# KiCad board panel.kicad_pcb
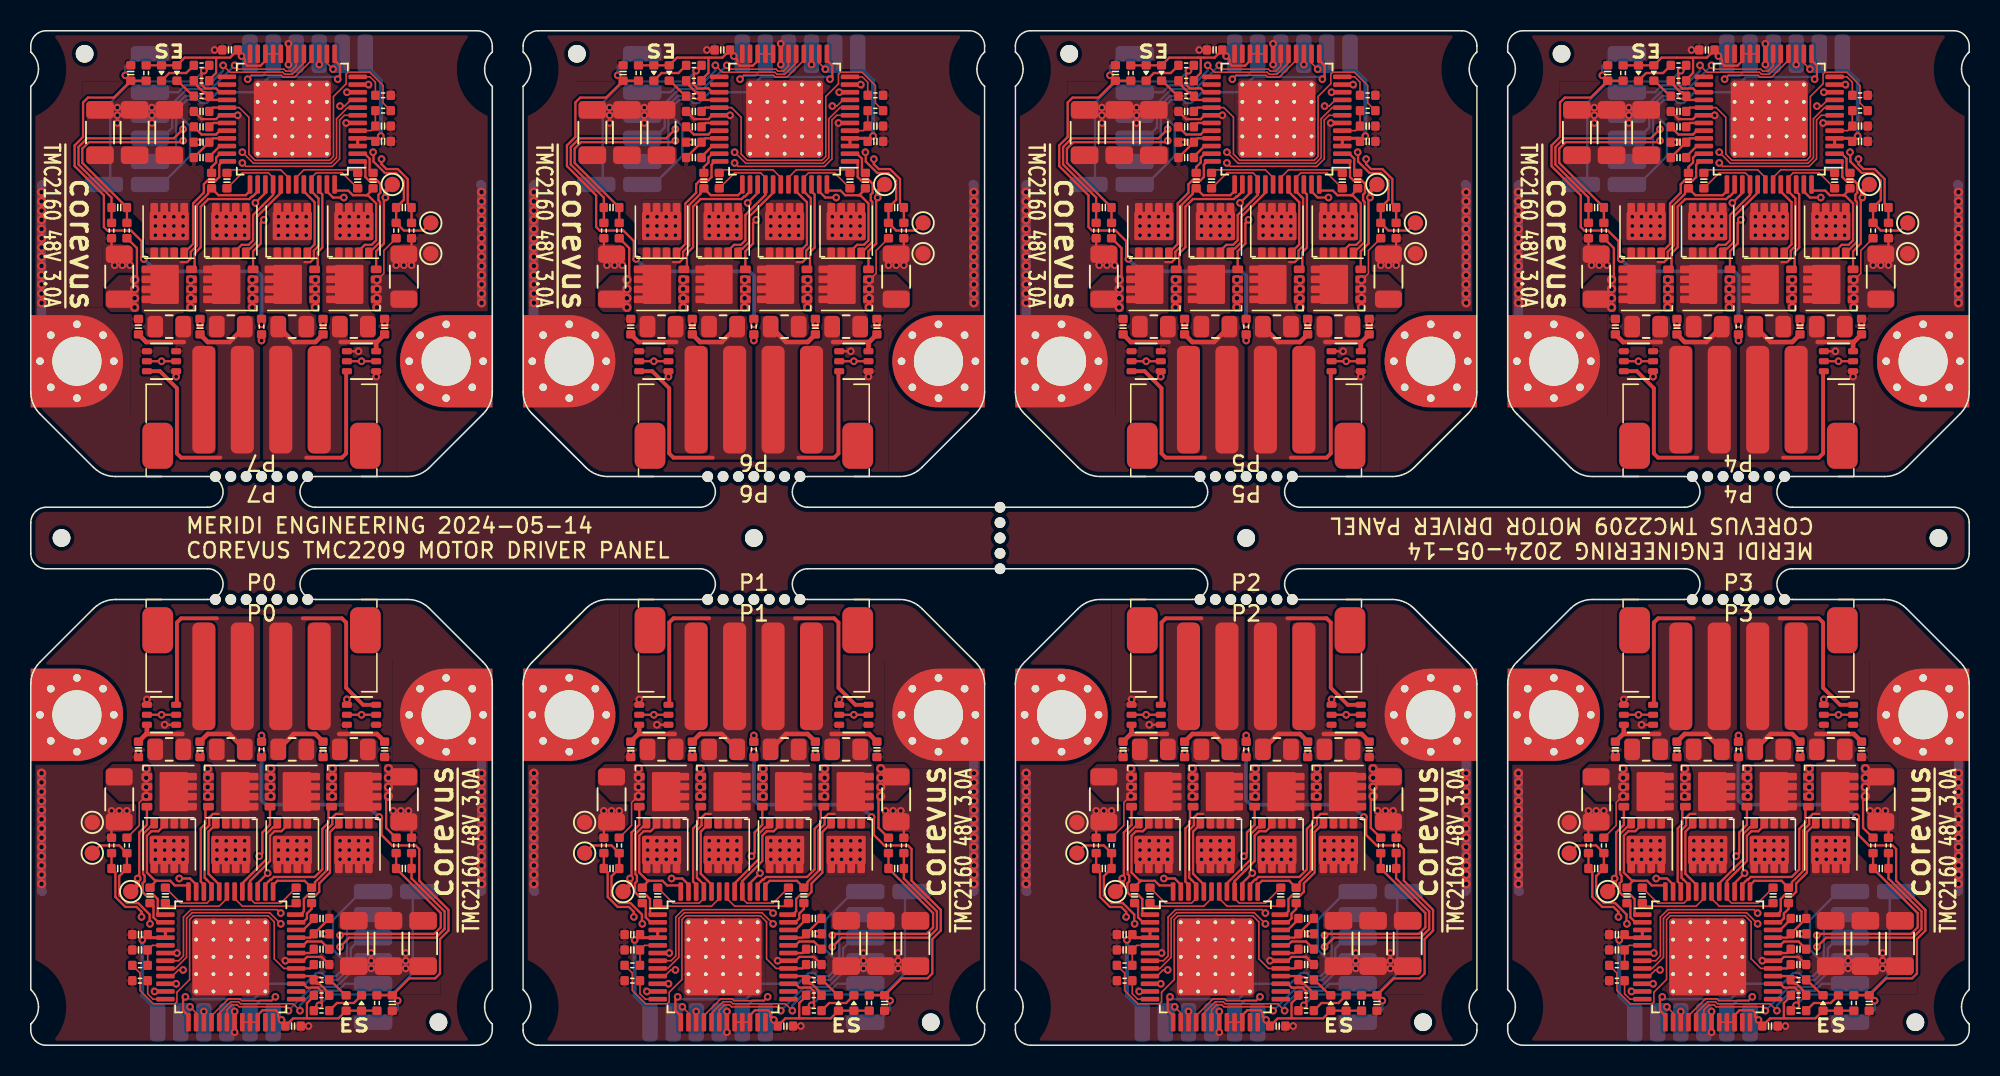
[diagram p0: board, top side]
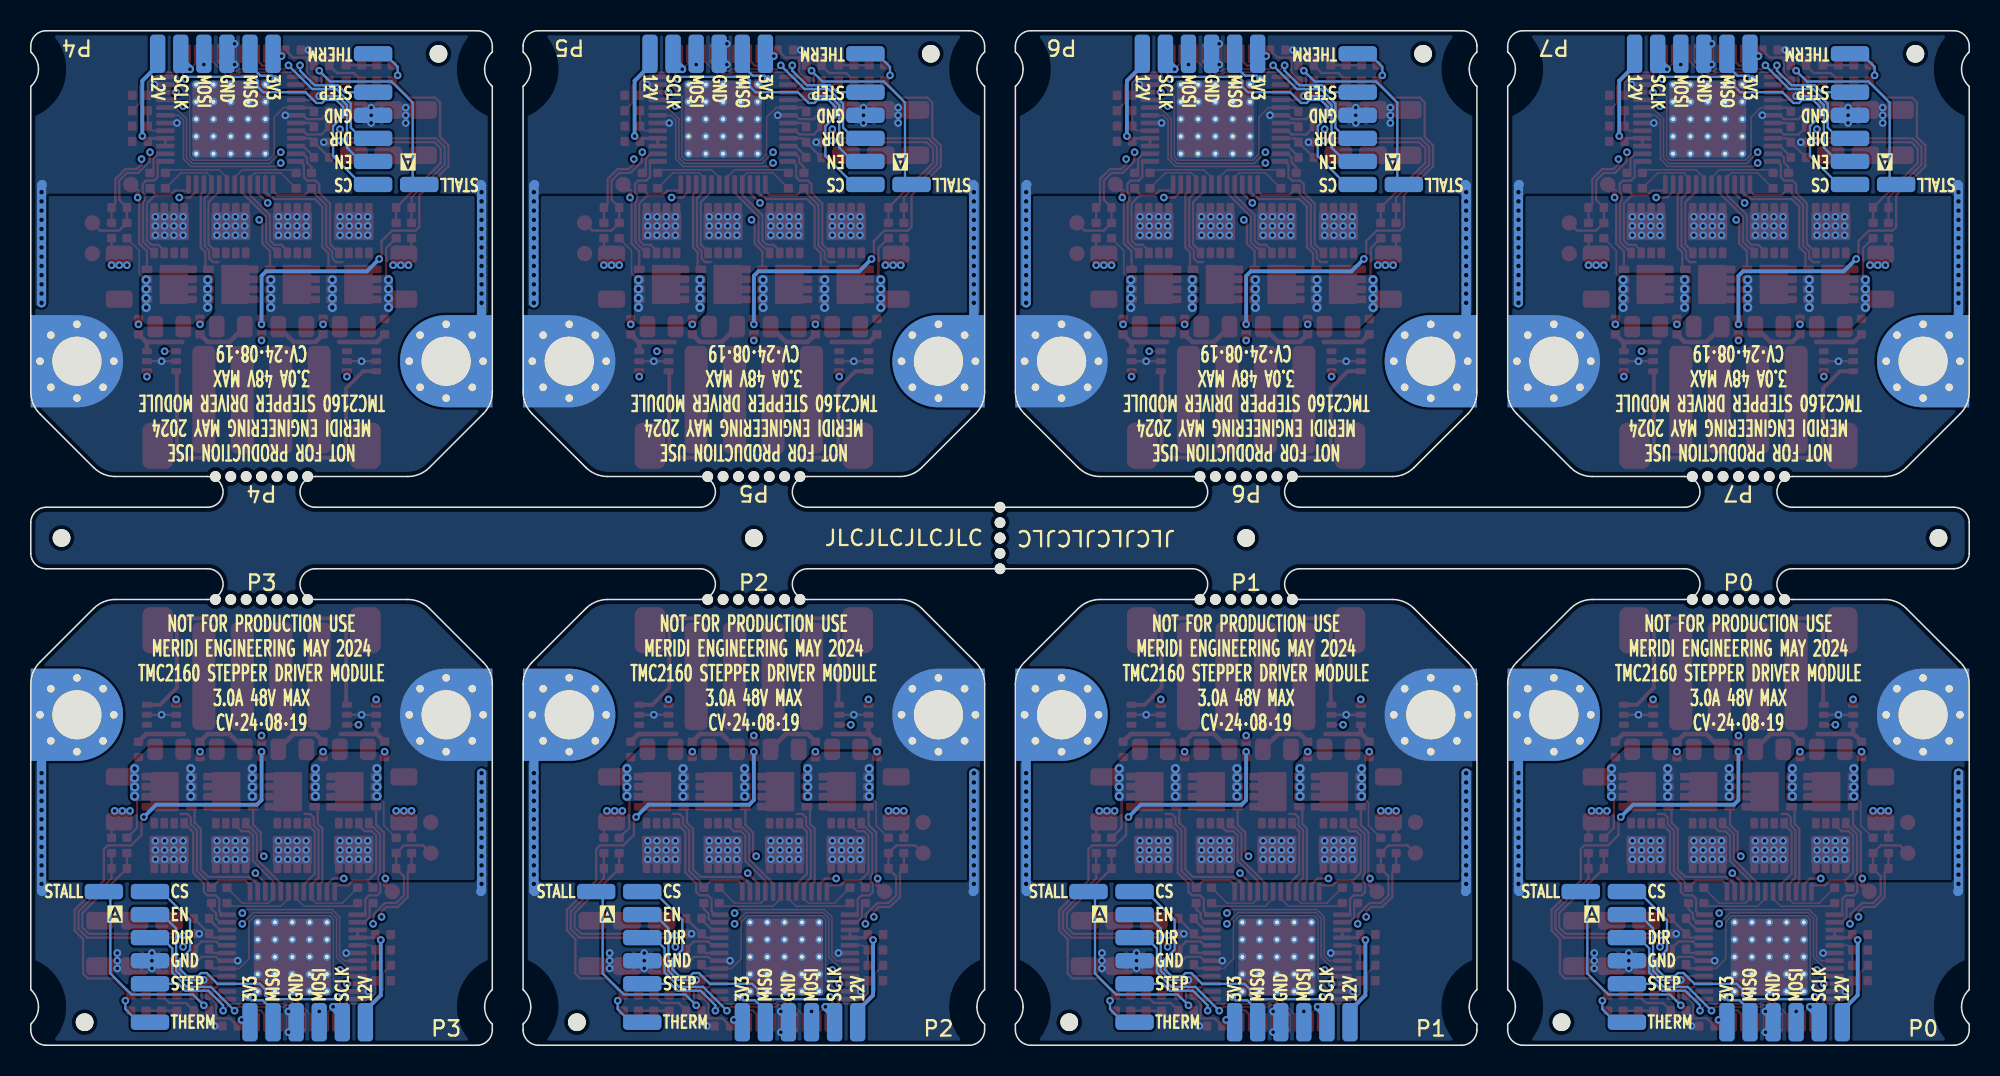
[diagram p1: board, bottom side, seen from below]

Outline 126 x 66 mm; copper layers: Top, In1.Cu, In2.Cu, Bottom. Coordinates in mm from the lower left corner of the outline.
Outline path: 0,65 arc(0.29,65.71) 1,66 29,66 arc(29.71,65.71) 30,65 30,64.62 29.94,64.56 arc(29.61,64.07) 29.5,63.5 arc(29.61,62.93) 29.94,62.44 30,62.38 30,42.5 arc(29.85,41.73) 29.41,41.09 25.91,37.59 arc(25.27,37.15) 24.5,37 18.5,37 arc(17.5,36) 18.5,35 43.5,35 arc(44.5,36) 43.5,37 37.5,37 arc(36.73,37.15) 36.09,37.59 32.59,41.09 arc(32.15,41.73) 32,42.5 32,62.38 32.06,62.44 arc(32.39,62.93) 32.5,63.5 arc(32.39,64.07) 32.06,64.56 32,64.62 32,65 arc(32.29,65.71) 33,66 61,66 arc(61.71,65.71) 62,65 62,64.62 61.94,64.56 arc(61.61,64.07) 61.5,63.5 arc(61.61,62.93) 61.94,62.44 62,62.38 62,42.5 arc(61.85,41.73) 61.41,41.09 57.91,37.59 arc(57.27,37.15) 56.5,37 50.5,37 arc(49.5,36) 50.5,35 75.5,35 arc(76.5,36) 75.5,37 69.5,37 arc(68.73,37.15) 68.09,37.59 64.59,41.09 arc(64.15,41.73) 64,42.5 64,62.38 64.06,62.44 arc(64.39,62.93) 64.5,63.5 arc(64.39,64.07) 64.06,64.56 64,64.62 64,65 arc(64.29,65.71) 65,66 93,66 arc(93.71,65.71) 94,65 94,64.62 93.94,64.56 arc(93.61,64.07) 93.5,63.5 arc(93.61,62.93) 93.94,62.44 94,62.38 94,42.5 arc(93.85,41.73) 93.41,41.09 89.91,37.59 arc(89.27,37.15) 88.5,37 82.5,37 arc(81.5,36) 82.5,35 107.5,35 arc(108.5,36) 107.5,37 101.5,37 arc(100.73,37.15) 100.09,37.59 96.59,41.09 arc(96.15,41.73) 96,42.5 96,62.38 96.06,62.44 arc(96.39,62.93) 96.5,63.5 arc(96.39,64.07) 96.06,64.56 96,64.62 96,65 arc(96.29,65.71) 97,66 125,66 arc(125.71,65.71) 126,65 126,64.62 125.94,64.56 arc(125.61,64.07) 125.5,63.5 arc(125.61,62.93) 125.94,62.44 126,62.38 126,42.5 arc(125.85,41.73) 125.41,41.09 121.91,37.59 arc(121.27,37.15) 120.5,37 114.5,37 arc(113.5,36) 114.5,35 125,35 arc(125.71,34.71) 126,34 126,32 arc(125.71,31.29) 125,31 114.5,31 arc(113.5,30) 114.5,29 120.5,29 arc(121.27,28.85) 121.91,28.41 125.41,24.91 arc(125.85,24.27) 126,23.5 126,3.62 125.94,3.56 arc(125.61,3.07) 125.5,2.5 arc(125.61,1.93) 125.94,1.44 126,1.38 126,1 arc(125.71,0.29) 125,0 97,0 arc(96.29,0.29) 96,1 96,1.38 96.06,1.44 arc(96.39,1.93) 96.5,2.5 arc(96.39,3.07) 96.06,3.56 96,3.62 96,23.5 arc(96.15,24.27) 96.59,24.91 100.09,28.41 arc(100.73,28.85) 101.5,29 107.5,29 arc(108.5,30) 107.5,31 82.5,31 arc(81.5,30) 82.5,29 88.5,29 arc(89.27,28.85) 89.91,28.41 93.41,24.91 arc(93.85,24.27) 94,23.5 94,3.62 93.94,3.56 arc(93.61,3.07) 93.5,2.5 arc(93.61,1.93) 93.94,1.44 94,1.38 94,1 arc(93.71,0.29) 93,0 65,0 arc(64.29,0.29) 64,1 64,1.38 64.06,1.44 arc(64.39,1.93) 64.5,2.5 arc(64.39,3.07) 64.06,3.56 64,3.62 64,23.5 arc(64.15,24.27) 64.59,24.91 68.09,28.41 arc(68.73,28.85) 69.5,29 75.5,29 arc(76.5,30) 75.5,31 50.5,31 arc(49.5,30) 50.5,29 56.5,29 arc(57.27,28.85) 57.91,28.41 61.41,24.91 arc(61.85,24.27) 62,23.5 62,3.62 61.94,3.56 arc(61.61,3.07) 61.5,2.5 arc(61.61,1.93) 61.94,1.44 62,1.38 62,1 arc(61.71,0.29) 61,0 33,0 arc(32.29,0.29) 32,1 32,1.38 32.06,1.44 arc(32.39,1.93) 32.5,2.5 arc(32.39,3.07) 32.06,3.56 32,3.62 32,23.5 arc(32.15,24.27) 32.59,24.91 36.09,28.41 arc(36.73,28.85) 37.5,29 43.5,29 arc(44.5,30) 43.5,31 18.5,31 arc(17.5,30) 18.5,29 24.5,29 arc(25.27,28.85) 25.91,28.41 29.41,24.91 arc(29.85,24.27) 30,23.5 30,3.62 29.94,3.56 arc(29.61,3.07) 29.5,2.5 arc(29.61,1.93) 29.94,1.44 30,1.38 30,1 arc(29.71,0.29) 29,0 1,0 arc(0.29,0.29) 0,1 0,1.38 0.06,1.44 arc(0.39,1.93) 0.5,2.5 arc(0.39,3.07) 0.06,3.56 0,3.62 0,23.5 arc(0.15,24.27) 0.59,24.91 4.09,28.41 arc(4.73,28.85) 5.5,29 11.5,29 arc(12.5,30) 11.5,31 1,31 arc(0.29,31.29) 0,32 0,34 arc(0.29,34.71) 1,35 11.5,35 arc(12.5,36) 11.5,37 5.5,37 arc(4.73,37.15) 4.09,37.59 0.59,41.09 arc(0.15,41.73) 0,42.5 0,62.38 0.06,62.44 arc(0.39,62.93) 0.5,63.5 arc(0.39,64.07) 0.06,64.56 0,64.62 0,65
Stack: Top 0.035mm / dielectric 0.1mm FR4 er 4.5 / In1.Cu 0.035mm / dielectric 1.24mm FR4 er 4.5 / In2.Cu 0.035mm / dielectric 0.1mm FR4 er 4.5 / Bottom 0.035mm

## Placement (name value [footprint] x y rotation side)
C1  1μF 25V  [0402C]  18.9 8.25 0 top
C1#2  1μF 25V  [0402C]  11.1 57.75 180 top
C1#3  1μF 25V  [0402C]  43.1 57.75 180 top
C1#4  1μF 25V  [0402C]  82.9 8.25 0 top
C1#5  1μF 25V  [0402C]  107.1 57.75 180 top
C1#6  1μF 25V  [0402C]  75.1 57.75 180 top
C1#7  1μF 25V  [0402C]  114.9 8.25 0 top
C1#8  1μF 25V  [0402C]  50.9 8.25 0 top
C2  100nF 100V  [0402C]  11.1 59.75 180 top
C2#2  100nF 100V  [0402C]  107.1 59.75 180 top
C2#3  100nF 100V  [0402C]  75.1 59.75 180 top
C2#4  100nF 100V  [0402C]  82.9 6.25 0 top
C2#5  100nF 100V  [0402C]  43.1 59.75 180 top
C2#6  100nF 100V  [0402C]  50.9 6.25 0 top
C2#7  100nF 100V  [0402C]  18.9 6.25 0 top
C2#8  100nF 100V  [0402C]  114.9 6.25 0 top
C3  1µF  [0402C]  76.95 64.75 0 top
C3#2  1µF  [0402C]  108.95 64.75 0 top
C3#3  1µF  [0402C]  44.95 64.75 0 top
C3#4  1µF  [0402C]  49.05 1.25 180 top
C3#5  1µF  [0402C]  17.05 1.25 180 top
C3#6  1µF  [0402C]  81.05 1.25 180 top
C3#7  1µF  [0402C]  12.95 64.75 0 top
C3#8  1µF  [0402C]  113.05 1.25 180 top
C4  1μF  [0402C]  22.9 59.8 180 top
C4#2  1μF  [0402C]  71.1 6.2 0 top
C4#3  1μF  [0402C]  86.9 59.8 180 top
C4#4  1μF  [0402C]  103.1 6.2 0 top
C4#5  1μF  [0402C]  7.1 6.2 0 top
C4#6  1μF  [0402C]  39.1 6.2 0 top
C4#7  1μF  [0402C]  54.9 59.8 180 top
C4#8  1μF  [0402C]  118.9 59.8 180 top
C5  1µF  [0402C]  50.9 5.25 180 top
C5#2  1µF  [0402C]  18.9 5.25 180 top
C5#3  1µF  [0402C]  82.9 5.25 180 top
C5#4  1µF  [0402C]  11.1 60.75 0 top
C5#5  1µF  [0402C]  43.1 60.75 0 top
C5#6  1µF  [0402C]  75.1 60.75 0 top
C5#7  1µF  [0402C]  107.1 60.75 0 top
C5#8  1µF  [0402C]  114.9 5.25 180 top
C6  1μF  [0402C]  103.1 7.2 180 top
C6#2  1μF  [0402C]  54.9 58.8 0 top
C6#3  1μF  [0402C]  118.9 58.8 0 top
C6#4  1μF  [0402C]  71.1 7.2 180 top
C6#5  1μF  [0402C]  39.1 7.2 180 top
C6#6  1μF  [0402C]  7.1 7.2 180 top
C6#7  1μF  [0402C]  86.9 58.8 0 top
C6#8  1μF  [0402C]  22.9 58.8 0 top
C7  100nF 100V  [0402C]  18.9 7.25 0 top
C7#2  100nF 100V  [0402C]  43.1 58.75 180 top
C7#3  100nF 100V  [0402C]  75.1 58.75 180 top
C7#4  100nF 100V  [0402C]  107.1 58.75 180 top
C7#5  100nF 100V  [0402C]  82.9 7.25 0 top
C7#6  100nF 100V  [0402C]  114.9 7.25 0 top
C7#7  100nF 100V  [0402C]  50.9 7.25 0 top
C7#8  100nF 100V  [0402C]  11.1 58.75 180 top
C8  1μF 25V  [0402C]  22.25 56.25 270 top
C8#2  1μF 25V  [0402C]  71.75 9.75 90 top
C8#3  1μF 25V  [0402C]  39.75 9.75 90 top
C8#4  1μF 25V  [0402C]  54.25 56.25 270 top
C8#5  1μF 25V  [0402C]  118.25 56.25 270 top
C8#6  1μF 25V  [0402C]  103.75 9.75 90 top
C8#7  1μF 25V  [0402C]  86.25 56.25 270 top
C8#8  1μF 25V  [0402C]  7.75 9.75 90 top
C9  1μF 25V  [0402C]  8.75 9.75 90 top
C9#2  1μF 25V  [0402C]  53.25 56.25 270 top
C9#3  1μF 25V  [0402C]  21.25 56.25 270 top
C9#4  1μF 25V  [0402C]  40.75 9.75 90 top
C9#5  1μF 25V  [0402C]  85.25 56.25 270 top
C9#6  1μF 25V  [0402C]  117.25 56.25 270 top
C9#7  1μF 25V  [0402C]  104.75 9.75 90 top
C9#8  1μF 25V  [0402C]  72.75 9.75 90 top
C10  1μF 25V  [0402C]  12.75 56.25 270 top
C10#2  1μF 25V  [0402C]  108.75 56.25 270 top
C10#3  1μF 25V  [0402C]  49.25 9.75 90 top
C10#4  1μF 25V  [0402C]  76.75 56.25 270 top
C10#5  1μF 25V  [0402C]  17.25 9.75 90 top
C10#6  1μF 25V  [0402C]  44.75 56.25 270 top
C10#7  1μF 25V  [0402C]  113.25 9.75 90 top
C10#8  1μF 25V  [0402C]  81.25 9.75 90 top
C11  1μF 25V  [0402C]  50.25 9.75 90 top
C11#2  1μF 25V  [0402C]  114.25 9.75 90 top
C11#3  1μF 25V  [0402C]  11.75 56.25 270 top
C11#4  1μF 25V  [0402C]  82.25 9.75 90 top
C11#5  1μF 25V  [0402C]  107.75 56.25 270 top
C11#6  1μF 25V  [0402C]  43.75 56.25 270 top
C11#7  1μF 25V  [0402C]  18.25 9.75 90 top
C11#8  1μF 25V  [0402C]  75.75 56.25 270 top
C12  1μF 100V  [C_1206_3216Metric]  9 59.37 90 top
C12#2  1μF 100V  [C_1206_3216Metric]  117 6.62 270 top
C12#3  1μF 100V  [C_1206_3216Metric]  53 6.62 270 top
C12#4  1μF 100V  [C_1206_3216Metric]  41 59.37 90 top
C12#5  1μF 100V  [C_1206_3216Metric]  105 59.37 90 top
C12#6  1μF 100V  [C_1206_3216Metric]  21 6.62 270 top
C12#7  1μF 100V  [C_1206_3216Metric]  73 59.37 90 top
C12#8  1μF 100V  [C_1206_3216Metric]  85 6.62 270 top
C13  1μF  [0402C]  55.5 2.75 270 top
C13#2  1μF  [0402C]  23.5 2.75 270 top
C13#3  1μF  [0402C]  87.5 2.75 270 top
C13#4  1μF  [0402C]  119.5 2.75 270 top
C13#5  1μF  [0402C]  6.5 63.25 90 top
C13#6  1μF  [0402C]  102.5 63.25 90 top
C13#7  1μF  [0402C]  70.5 63.25 90 top
C13#8  1μF  [0402C]  38.5 63.25 90 top
C14  1μF 100V  [C_1206_3216Metric]  38.75 59.38 90 top
C14#2  1μF 100V  [C_1206_3216Metric]  6.75 59.38 90 top
C14#3  1μF 100V  [C_1206_3216Metric]  55.25 6.62 270 top
C14#4  1μF 100V  [C_1206_3216Metric]  70.75 59.38 90 top
C14#5  1μF 100V  [C_1206_3216Metric]  23.25 6.62 270 top
C14#6  1μF 100V  [C_1206_3216Metric]  119.25 6.62 270 top
C14#7  1μF 100V  [C_1206_3216Metric]  87.25 6.62 270 top
C14#8  1μF 100V  [C_1206_3216Metric]  102.75 59.38 90 top
C15  1μF 100V  [C_1206_3216Metric]  4.5 59.38 90 top
C15#2  1μF 100V  [C_1206_3216Metric]  68.5 59.38 90 top
C15#3  1μF 100V  [C_1206_3216Metric]  25.5 6.62 270 top
C15#4  1μF 100V  [C_1206_3216Metric]  100.5 59.38 90 top
C15#5  1μF 100V  [C_1206_3216Metric]  121.5 6.62 270 top
C15#6  1μF 100V  [C_1206_3216Metric]  36.5 59.38 90 top
C15#7  1μF 100V  [C_1206_3216Metric]  89.5 6.62 270 top
C15#8  1μF 100V  [C_1206_3216Metric]  57.5 6.62 270 top
C16  1nF 100V  [0402C]  7 46.75 270 top
C16#2  1nF 100V  [0402C]  87 19.25 90 top
C16#3  1nF 100V  [0402C]  39 46.75 270 top
C16#4  1nF 100V  [0402C]  23 19.25 90 top
C16#5  1nF 100V  [0402C]  71 46.75 270 top
C16#6  1nF 100V  [0402C]  103 46.75 270 top
C16#7  1nF 100V  [0402C]  119 19.25 90 top
C16#8  1nF 100V  [0402C]  55 19.25 90 top
C17  1nF 100V  [0402C]  11 46.75 270 top
C17#2  1nF 100V  [0402C]  19 19.25 90 top
C17#3  1nF 100V  [0402C]  43 46.75 270 top
C17#4  1nF 100V  [0402C]  83 19.25 90 top
C17#5  1nF 100V  [0402C]  107 46.75 270 top
C17#6  1nF 100V  [0402C]  75 46.75 270 top
C17#7  1nF 100V  [0402C]  115 19.25 90 top
C17#8  1nF 100V  [0402C]  51 19.25 90 top
C18  1nF 100V  [0402C]  11 19.25 90 top
C18#2  1nF 100V  [0402C]  107 19.25 90 top
C18#3  1nF 100V  [0402C]  19 46.75 270 top
C18#4  1nF 100V  [0402C]  115 46.75 270 top
C18#5  1nF 100V  [0402C]  51 46.75 270 top
C18#6  1nF 100V  [0402C]  83 46.75 270 top
C18#7  1nF 100V  [0402C]  75 19.25 90 top
C18#8  1nF 100V  [0402C]  43 19.25 90 top
C19  1nF 100V  [0402C]  39 19.25 90 top
C19#2  1nF 100V  [0402C]  23 46.75 270 top
C19#3  1nF 100V  [0402C]  103 19.25 90 top
C19#4  1nF 100V  [0402C]  55 46.75 270 top
C19#5  1nF 100V  [0402C]  87 46.75 270 top
C19#6  1nF 100V  [0402C]  71 19.25 90 top
C19#7  1nF 100V  [0402C]  119 46.75 270 top
C19#8  1nF 100V  [0402C]  7 19.25 90 top
C20  1nF  [0402C]  120.25 54.5 180 top
C20#2  1nF  [0402C]  56.25 54.5 180 top
C20#3  1nF  [0402C]  69.75 11.5 0 top
C20#4  1nF  [0402C]  101.75 11.5 0 top
C20#5  1nF  [0402C]  24.25 54.5 180 top
C20#6  1nF  [0402C]  37.75 11.5 0 top
C20#7  1nF  [0402C]  5.75 11.5 0 top
C20#8  1nF  [0402C]  88.25 54.5 180 top
C21  1nF  [0402C]  101.75 54.5 0 top
C21#2  1nF  [0402C]  56.25 11.5 180 top
C21#3  1nF  [0402C]  88.25 11.5 180 top
C21#4  1nF  [0402C]  69.75 54.5 0 top
C21#5  1nF  [0402C]  37.75 54.5 0 top
C21#6  1nF  [0402C]  120.25 11.5 180 top
C21#7  1nF  [0402C]  5.75 54.5 0 top
C21#8  1nF  [0402C]  24.25 11.5 180 top
D1  Red  [0402LED]  20.5 2.75 270 top
D1#2  Red  [0402LED]  84.5 2.75 270 top
D1#3  Red  [0402LED]  116.5 2.75 270 top
D1#4  Red  [0402LED]  52.5 2.75 270 top
D1#5  Red  [0402LED]  41.5 63.25 90 top
D1#6  Red  [0402LED]  105.5 63.25 90 top
D1#7  Red  [0402LED]  73.5 63.25 90 top
D1#8  Red  [0402LED]  9.5 63.25 90 top
D2  Green  [0402LED]  104.5 63.25 90 top
D2#2  Green  [0402LED]  85.5 2.75 270 top
D2#3  Green  [0402LED]  117.5 2.75 270 top
D2#4  Green  [0402LED]  8.5 63.25 90 top
D2#5  Green  [0402LED]  53.5 2.75 270 top
D2#6  Green  [0402LED]  72.5 63.25 90 top
D2#7  Green  [0402LED]  40.5 63.25 90 top
D2#8  Green  [0402LED]  21.5 2.75 270 top
D3  BAV99S  [SOT-363_SC-70-6]  53.5 44.5 180 top
D3#2  BAV99S  [SOT-363_SC-70-6]  117.5 44.5 180 top
D3#3  BAV99S  [SOT-363_SC-70-6]  104.5 21.5 0 top
D3#4  BAV99S  [SOT-363_SC-70-6]  21.5 44.5 180 top
D3#5  BAV99S  [SOT-363_SC-70-6]  40.5 21.5 0 top
D3#6  BAV99S  [SOT-363_SC-70-6]  85.5 44.5 180 top
D3#7  BAV99S  [SOT-363_SC-70-6]  8.5 21.5 0 top
D3#8  BAV99S  [SOT-363_SC-70-6]  72.5 21.5 0 top
D4  BAV99S  [SOT-363_SC-70-6]  85.5 21.5 0 top
D4#2  BAV99S  [SOT-363_SC-70-6]  40.5 44.5 180 top
D4#3  BAV99S  [SOT-363_SC-70-6]  8.5 44.5 180 top
D4#4  BAV99S  [SOT-363_SC-70-6]  117.5 21.5 0 top
D4#5  BAV99S  [SOT-363_SC-70-6]  72.5 44.5 180 top
D4#6  BAV99S  [SOT-363_SC-70-6]  21.5 21.5 0 top
D4#7  BAV99S  [SOT-363_SC-70-6]  53.5 21.5 0 top
D4#8  BAV99S  [SOT-363_SC-70-6]  104.5 44.5 180 top
FB1  30Ω@100MHz  [R_0805_2012Metric]  41 46.75 180 top
FB1#2  30Ω@100MHz  [R_0805_2012Metric]  21 19.25 0 top
FB1#3  30Ω@100MHz  [R_0805_2012Metric]  85 19.25 0 top
FB1#4  30Ω@100MHz  [R_0805_2012Metric]  73 46.75 180 top
FB1#5  30Ω@100MHz  [R_0805_2012Metric]  9 46.75 180 top
FB1#6  30Ω@100MHz  [R_0805_2012Metric]  117 19.25 0 top
FB1#7  30Ω@100MHz  [R_0805_2012Metric]  105 46.75 180 top
FB1#8  30Ω@100MHz  [R_0805_2012Metric]  53 19.25 0 top
FB2  30Ω@100MHz  [R_0805_2012Metric]  113 19.25 0 top
FB2#2  30Ω@100MHz  [R_0805_2012Metric]  45 46.75 180 top
FB2#3  30Ω@100MHz  [R_0805_2012Metric]  81 19.25 0 top
FB2#4  30Ω@100MHz  [R_0805_2012Metric]  13 46.75 180 top
FB2#5  30Ω@100MHz  [R_0805_2012Metric]  77 46.75 180 top
FB2#6  30Ω@100MHz  [R_0805_2012Metric]  17 19.25 0 top
FB2#7  30Ω@100MHz  [R_0805_2012Metric]  49 19.25 0 top
FB2#8  30Ω@100MHz  [R_0805_2012Metric]  109 46.75 180 top
FB3  30Ω@100MHz  [R_0805_2012Metric]  45 19.25 180 top
FB3#2  30Ω@100MHz  [R_0805_2012Metric]  17 46.75 0 top
FB3#3  30Ω@100MHz  [R_0805_2012Metric]  13 19.25 180 top
FB3#4  30Ω@100MHz  [R_0805_2012Metric]  113 46.75 0 top
FB3#5  30Ω@100MHz  [R_0805_2012Metric]  49 46.75 0 top
FB3#6  30Ω@100MHz  [R_0805_2012Metric]  109 19.25 180 top
FB3#7  30Ω@100MHz  [R_0805_2012Metric]  81 46.75 0 top
FB3#8  30Ω@100MHz  [R_0805_2012Metric]  77 19.25 180 top
FB4  30Ω@100MHz  [R_0805_2012Metric]  117 46.75 0 top
FB4#2  30Ω@100MHz  [R_0805_2012Metric]  85 46.75 0 top
FB4#3  30Ω@100MHz  [R_0805_2012Metric]  105 19.25 180 top
FB4#4  30Ω@100MHz  [R_0805_2012Metric]  21 46.75 0 top
FB4#5  30Ω@100MHz  [R_0805_2012Metric]  41 19.25 180 top
FB4#6  30Ω@100MHz  [R_0805_2012Metric]  9 19.25 180 top
FB4#7  30Ω@100MHz  [R_0805_2012Metric]  73 19.25 180 top
FB4#8  30Ω@100MHz  [R_0805_2012Metric]  53 46.75 0 top
H1  VM  [MountingHole_M3_Driver]  59 44.5 270 top
H1#2  VM  [MountingHole_M3_Driver]  3 21.5 90 top
H1#3  VM  [MountingHole_M3_Driver]  27 44.5 270 top
H1#4  VM  [MountingHole_M3_Driver]  123 44.5 270 top
H1#5  VM  [MountingHole_M3_Driver]  99 21.5 90 top
H1#6  VM  [MountingHole_M3_Driver]  91 44.5 270 top
H1#7  VM  [MountingHole_M3_Driver]  35 21.5 90 top
H1#8  VM  [MountingHole_M3_Driver]  67 21.5 90 top
H2  Gnd  [MountingHole_M3_Driver]  27 21.5 270 top
H2#2  Gnd  [MountingHole_M3_Driver]  123 21.5 270 top
H2#3  Gnd  [MountingHole_M3_Driver]  99 44.5 90 top
H2#4  Gnd  [MountingHole_M3_Driver]  59 21.5 270 top
H2#5  Gnd  [MountingHole_M3_Driver]  35 44.5 90 top
H2#6  Gnd  [MountingHole_M3_Driver]  91 21.5 270 top
H2#7  Gnd  [MountingHole_M3_Driver]  67 44.5 90 top
H2#8  Gnd  [MountingHole_M3_Driver]  3 44.5 90 top
H3  -  [ToolingHole]  99.5 64.5 180 top
H3#2  -  [ToolingHole]  67.5 64.5 180 top
H3#3  -  [ToolingHole]  3.5 64.5 180 top
H3#4  -  [ToolingHole]  90.5 1.5 0 top
H3#5  -  [ToolingHole]  122.5 1.5 0 top
H3#6  -  [ToolingHole]  35.5 64.5 180 top
H3#7  -  [ToolingHole]  58.5 1.5 0 top
H3#8  -  [ToolingHole]  26.5 1.5 0 top
J1  XH  [XH_1x04_SMD_Vertical]  15 25 180 top
J1#2  XH  [XH_1x04_SMD_Vertical]  47 41 0 top
J1#3  XH  [XH_1x04_SMD_Vertical]  15 41 0 top
J1#4  XH  [XH_1x04_SMD_Vertical]  79 25 180 top
J1#5  XH  [XH_1x04_SMD_Vertical]  47 25 180 top
J1#6  XH  [XH_1x04_SMD_Vertical]  111 41 0 top
J1#7  XH  [XH_1x04_SMD_Vertical]  111 25 180 top
J1#8  XH  [XH_1x04_SMD_Vertical]  79 41 0 top
KiKit_MB_1_1  -  [NPTH]  12 29 0 top
KiKit_MB_1_2  -  [NPTH]  13 29 0 top
KiKit_MB_1_3  -  [NPTH]  14 29 0 top
KiKit_MB_1_4  -  [NPTH]  15 29 0 top
KiKit_MB_1_5  -  [NPTH]  16 29 0 top
KiKit_MB_1_6  -  [NPTH]  17 29 0 top
KiKit_MB_1_7  -  [NPTH]  18 29 0 top
KiKit_MB_3_1  -  [NPTH]  44 29 0 top
KiKit_MB_3_2  -  [NPTH]  45 29 0 top
KiKit_MB_3_3  -  [NPTH]  46 29 0 top
KiKit_MB_3_4  -  [NPTH]  47 29 0 top
KiKit_MB_3_5  -  [NPTH]  48 29 0 top
KiKit_MB_3_6  -  [NPTH]  49 29 0 top
KiKit_MB_3_7  -  [NPTH]  50 29 0 top
KiKit_MB_5_1  -  [NPTH]  76 29 0 top
KiKit_MB_5_2  -  [NPTH]  77 29 0 top
KiKit_MB_5_3  -  [NPTH]  78 29 0 top
KiKit_MB_5_4  -  [NPTH]  79 29 0 top
KiKit_MB_5_5  -  [NPTH]  80 29 0 top
KiKit_MB_5_6  -  [NPTH]  81 29 0 top
KiKit_MB_5_7  -  [NPTH]  82 29 0 top
KiKit_MB_7_1  -  [NPTH]  108 29 0 top
KiKit_MB_7_2  -  [NPTH]  109 29 0 top
KiKit_MB_7_3  -  [NPTH]  110 29 0 top
KiKit_MB_7_4  -  [NPTH]  111 29 0 top
KiKit_MB_7_5  -  [NPTH]  112 29 0 top
KiKit_MB_7_6  -  [NPTH]  113 29 0 top
KiKit_MB_7_7  -  [NPTH]  114 29 0 top
KiKit_MB_9_1  -  [NPTH]  114 37 180 top
KiKit_MB_9_2  -  [NPTH]  113 37 180 top
KiKit_MB_9_3  -  [NPTH]  112 37 180 top
KiKit_MB_9_4  -  [NPTH]  111 37 180 top
KiKit_MB_9_5  -  [NPTH]  110 37 180 top
KiKit_MB_9_6  -  [NPTH]  109 37 180 top
KiKit_MB_9_7  -  [NPTH]  108 37 180 top
KiKit_MB_11_1  -  [NPTH]  63 35 270 top
KiKit_MB_11_1#2  -  [NPTH]  82 37 180 top
KiKit_MB_11_2  -  [NPTH]  63 34 270 top
KiKit_MB_11_2#2  -  [NPTH]  81 37 180 top
KiKit_MB_11_3  -  [NPTH]  80 37 180 top
KiKit_MB_11_3#2  -  [NPTH]  63 33 270 top
KiKit_MB_11_4  -  [NPTH]  79 37 180 top
KiKit_MB_11_4#2  -  [NPTH]  63 33 270 top
KiKit_MB_11_5  -  [NPTH]  78 37 180 top
KiKit_MB_11_5#2  -  [NPTH]  63 32 270 top
KiKit_MB_11_6  -  [NPTH]  63 31 270 top
KiKit_MB_11_6#2  -  [NPTH]  77 37 180 top
KiKit_MB_11_7  -  [NPTH]  76 37 180 top
KiKit_MB_13_1  -  [NPTH]  50 37 180 top
KiKit_MB_13_2  -  [NPTH]  49 37 180 top
KiKit_MB_13_3  -  [NPTH]  48 37 180 top
KiKit_MB_13_4  -  [NPTH]  47 37 180 top
KiKit_MB_13_5  -  [NPTH]  46 37 180 top
KiKit_MB_13_6  -  [NPTH]  45 37 180 top
KiKit_MB_13_7  -  [NPTH]  44 37 180 top
KiKit_MB_15_1  -  [NPTH]  18 37 180 top
KiKit_MB_15_2  -  [NPTH]  17 37 180 top
KiKit_MB_15_3  -  [NPTH]  16 37 180 top
KiKit_MB_15_4  -  [NPTH]  15 37 180 top
KiKit_MB_15_5  -  [NPTH]  14 37 180 top
KiKit_MB_15_6  -  [NPTH]  13 37 180 top
KiKit_MB_15_7  -  [NPTH]  12 37 180 top
NOREF  -  [unnamed]  79 33 0 top
NOREF#2  -  [unnamed]  47 33 0 top
NOREF#3  -  [unnamed]  2 33 0 top
NOREF#4  -  [unnamed]  124 33 0 top
Q1  30N06  [MOSFET_DFN8]  21 53 0 top
Q1#2  30N06  [MOSFET_DFN8]  53 53 0 top
Q1#3  30N06  [MOSFET_DFN8]  117 53 0 top
Q1#4  30N06  [MOSFET_DFN8]  9 13 180 top
Q1#5  30N06  [MOSFET_DFN8]  85 53 0 top
Q1#6  30N06  [MOSFET_DFN8]  41 13 180 top
Q1#7  30N06  [MOSFET_DFN8]  105 13 180 top
Q1#8  30N06  [MOSFET_DFN8]  73 13 180 top
Q2  30N06  [MOSFET_DFN8]  85 49.5 90 top
Q2#2  30N06  [MOSFET_DFN8]  105 16.5 270 top
Q2#3  30N06  [MOSFET_DFN8]  41 16.5 270 top
Q2#4  30N06  [MOSFET_DFN8]  9 16.5 270 top
Q2#5  30N06  [MOSFET_DFN8]  53 49.5 90 top
Q2#6  30N06  [MOSFET_DFN8]  73 16.5 270 top
Q2#7  30N06  [MOSFET_DFN8]  117 49.5 90 top
Q2#8  30N06  [MOSFET_DFN8]  21 49.5 90 top
Q3  30N06  [MOSFET_DFN8]  13 13 180 top
Q3#2  30N06  [MOSFET_DFN8]  45 13 180 top
Q3#3  30N06  [MOSFET_DFN8]  77 13 180 top
Q3#4  30N06  [MOSFET_DFN8]  17 53 0 top
Q3#5  30N06  [MOSFET_DFN8]  113 53 0 top
Q3#6  30N06  [MOSFET_DFN8]  49 53 0 top
Q3#7  30N06  [MOSFET_DFN8]  109 13 180 top
Q3#8  30N06  [MOSFET_DFN8]  81 53 0 top
Q4  30N06  [MOSFET_DFN8]  77 16.5 270 top
Q4#2  30N06  [MOSFET_DFN8]  81 49.5 90 top
Q4#3  30N06  [MOSFET_DFN8]  109 16.5 270 top
Q4#4  30N06  [MOSFET_DFN8]  45 16.5 270 top
Q4#5  30N06  [MOSFET_DFN8]  113 49.5 90 top
Q4#6  30N06  [MOSFET_DFN8]  13 16.5 270 top
Q4#7  30N06  [MOSFET_DFN8]  49 49.5 90 top
Q4#8  30N06  [MOSFET_DFN8]  17 49.5 90 top
Q5  30N06  [MOSFET_DFN8]  45 53 0 top
Q5#2  30N06  [MOSFET_DFN8]  49 13 180 top
Q5#3  30N06  [MOSFET_DFN8]  77 53 0 top
Q5#4  30N06  [MOSFET_DFN8]  113 13 180 top
Q5#5  30N06  [MOSFET_DFN8]  17 13 180 top
Q5#6  30N06  [MOSFET_DFN8]  81 13 180 top
Q5#7  30N06  [MOSFET_DFN8]  109 53 0 top
Q5#8  30N06  [MOSFET_DFN8]  13 53 0 top
Q6  30N06  [MOSFET_DFN8]  45 49.5 90 top
Q6#2  30N06  [MOSFET_DFN8]  113 16.5 270 top
Q6#3  30N06  [MOSFET_DFN8]  109 49.5 90 top
Q6#4  30N06  [MOSFET_DFN8]  81 16.5 270 top
Q6#5  30N06  [MOSFET_DFN8]  77 49.5 90 top
Q6#6  30N06  [MOSFET_DFN8]  13 49.5 90 top
Q6#7  30N06  [MOSFET_DFN8]  49 16.5 270 top
Q6#8  30N06  [MOSFET_DFN8]  17 16.5 270 top
Q7  30N06  [MOSFET_DFN8]  9 53 0 top
Q7#2  30N06  [MOSFET_DFN8]  21 13 180 top
Q7#3  30N06  [MOSFET_DFN8]  73 53 0 top
Q7#4  30N06  [MOSFET_DFN8]  85 13 180 top
Q7#5  30N06  [MOSFET_DFN8]  105 53 0 top
Q7#6  30N06  [MOSFET_DFN8]  117 13 180 top
Q7#7  30N06  [MOSFET_DFN8]  41 53 0 top
Q7#8  30N06  [MOSFET_DFN8]  53 13 180 top
Q8  30N06  [MOSFET_DFN8]  85 16.5 270 top
Q8#2  30N06  [MOSFET_DFN8]  105 49.5 90 top
Q8#3  30N06  [MOSFET_DFN8]  21 16.5 270 top
Q8#4  30N06  [MOSFET_DFN8]  9 49.5 90 top
Q8#5  30N06  [MOSFET_DFN8]  41 49.5 90 top
Q8#6  30N06  [MOSFET_DFN8]  117 16.5 270 top
Q8#7  30N06  [MOSFET_DFN8]  73 49.5 90 top
Q8#8  30N06  [MOSFET_DFN8]  53 16.5 270 top
R1  4.7kΩ  [0402R]  18.9 4.25 180 top
R1#2  4.7kΩ  [0402R]  107.1 61.75 0 top
R1#3  4.7kΩ  [0402R]  43.1 61.75 0 top
R1#4  4.7kΩ  [0402R]  11.1 61.75 0 top
R1#5  4.7kΩ  [0402R]  114.9 4.25 180 top
R1#6  4.7kΩ  [0402R]  82.9 4.25 180 top
R1#7  4.7kΩ  [0402R]  75.1 61.75 0 top
R1#8  4.7kΩ  [0402R]  50.9 4.25 180 top
R2  10kΩ  [0402R]  50.9 3.25 0 top
R2#2  10kΩ  [0402R]  75.1 62.75 180 top
R2#3  10kΩ  [0402R]  114.9 3.25 0 top
R2#4  10kΩ  [0402R]  82.9 3.25 0 top
R2#5  10kΩ  [0402R]  107.1 62.75 180 top
R2#6  10kΩ  [0402R]  11.1 62.75 180 top
R2#7  10kΩ  [0402R]  43.1 62.75 180 top
R2#8  10kΩ  [0402R]  18.9 3.25 0 top
R3  10kΩ  [0402R]  7.1 4.2 180 top
R3#2  10kΩ  [0402R]  22.9 61.8 0 top
R3#3  10kΩ  [0402R]  71.1 4.2 180 top
R3#4  10kΩ  [0402R]  54.9 61.8 0 top
R3#5  10kΩ  [0402R]  39.1 4.2 180 top
R3#6  10kΩ  [0402R]  118.9 61.8 0 top
R3#7  10kΩ  [0402R]  103.1 4.2 180 top
R3#8  10kΩ  [0402R]  86.9 61.8 0 top
R4  1Ω  [0402R]  54.9 60.8 0 top
R4#2  1Ω  [0402R]  103.1 5.2 180 top
R4#3  1Ω  [0402R]  71.1 5.2 180 top
R4#4  1Ω  [0402R]  86.9 60.8 0 top
R4#5  1Ω  [0402R]  22.9 60.8 0 top
R4#6  1Ω  [0402R]  7.1 5.2 180 top
R4#7  1Ω  [0402R]  118.9 60.8 0 top
R4#8  1Ω  [0402R]  39.1 5.2 180 top
R8  47Ω  [0402R]  38.25 13 270 top
R8#2  47Ω  [0402R]  55.75 53 90 top
R8#3  47Ω  [0402R]  87.75 53 90 top
R8#4  47Ω  [0402R]  102.25 13 270 top
R8#5  47Ω  [0402R]  119.75 53 90 top
R8#6  47Ω  [0402R]  6.25 13 270 top
R8#7  47Ω  [0402R]  23.75 53 90 top
R8#8  47Ω  [0402R]  70.25 13 270 top
R9  47Ω  [0402R]  120.75 53 90 top
R9#2  47Ω  [0402R]  56.75 53 90 top
R9#3  47Ω  [0402R]  24.75 53 90 top
R9#4  47Ω  [0402R]  5.25 13 270 top
R9#5  47Ω  [0402R]  88.75 53 90 top
R9#6  47Ω  [0402R]  69.25 13 270 top
R9#7  47Ω  [0402R]  37.25 13 270 top
R9#8  47Ω  [0402R]  101.25 13 270 top
R10  50mΩ  [R_1206_3216Metric]  5.75 16 270 top
R10#2  50mΩ  [R_1206_3216Metric]  120.25 50 90 top
R10#3  50mΩ  [R_1206_3216Metric]  69.75 16 270 top
R10#4  50mΩ  [R_1206_3216Metric]  24.25 50 90 top
R10#5  50mΩ  [R_1206_3216Metric]  88.25 50 90 top
R10#6  50mΩ  [R_1206_3216Metric]  101.75 16 270 top
R10#7  50mΩ  [R_1206_3216Metric]  37.75 16 270 top
R10#8  50mΩ  [R_1206_3216Metric]  56.25 50 90 top
R11  47Ω  [0402R]  38.25 53 90 top
R11#2  47Ω  [0402R]  87.75 13 270 top
R11#3  47Ω  [0402R]  119.75 13 270 top
R11#4  47Ω  [0402R]  6.25 53 90 top
R11#5  47Ω  [0402R]  55.75 13 270 top
R11#6  47Ω  [0402R]  70.25 53 90 top
R11#7  47Ω  [0402R]  23.75 13 270 top
R11#8  47Ω  [0402R]  102.25 53 90 top
R12  47Ω  [0402R]  5.25 53 90 top
R12#2  47Ω  [0402R]  88.75 13 270 top
R12#3  47Ω  [0402R]  69.25 53 90 top
R12#4  47Ω  [0402R]  37.25 53 90 top
R12#5  47Ω  [0402R]  101.25 53 90 top
R12#6  47Ω  [0402R]  24.75 13 270 top
R12#7  47Ω  [0402R]  56.75 13 270 top
R12#8  47Ω  [0402R]  120.75 13 270 top
R13  50mΩ  [R_1206_3216Metric]  69.75 50 90 top
R13#2  50mΩ  [R_1206_3216Metric]  88.25 16 270 top
R13#3  50mΩ  [R_1206_3216Metric]  24.25 16 270 top
R13#4  50mΩ  [R_1206_3216Metric]  37.75 50 90 top
R13#5  50mΩ  [R_1206_3216Metric]  56.25 16 270 top
R13#6  50mΩ  [R_1206_3216Metric]  5.75 50 90 top
R13#7  50mΩ  [R_1206_3216Metric]  120.25 16 270 top
R13#8  50mΩ  [R_1206_3216Metric]  101.75 50 90 top
R16  1kΩ  [0402R]  75.1 63.75 0 top
R16#2  1kΩ  [0402R]  114.9 2.25 180 top
R16#3  1kΩ  [0402R]  82.9 2.25 180 top
R16#4  1kΩ  [0402R]  18.9 2.25 180 top
R16#5  1kΩ  [0402R]  11.1 63.75 0 top
R16#6  1kΩ  [0402R]  50.9 2.25 180 top
R16#7  1kΩ  [0402R]  107.1 63.75 0 top
R16#8  1kΩ  [0402R]  43.1 63.75 0 top
R20  4.7kΩ  [0402R]  39.5 63.25 90 top
R20#2  4.7kΩ  [0402R]  86.5 2.75 270 top
R20#3  4.7kΩ  [0402R]  71.5 63.25 90 top
R20#4  4.7kΩ  [0402R]  7.5 63.25 90 top